# Allegro board AM335x_ICE_3H0013_PCB_REV_2_1A.brd (continued)
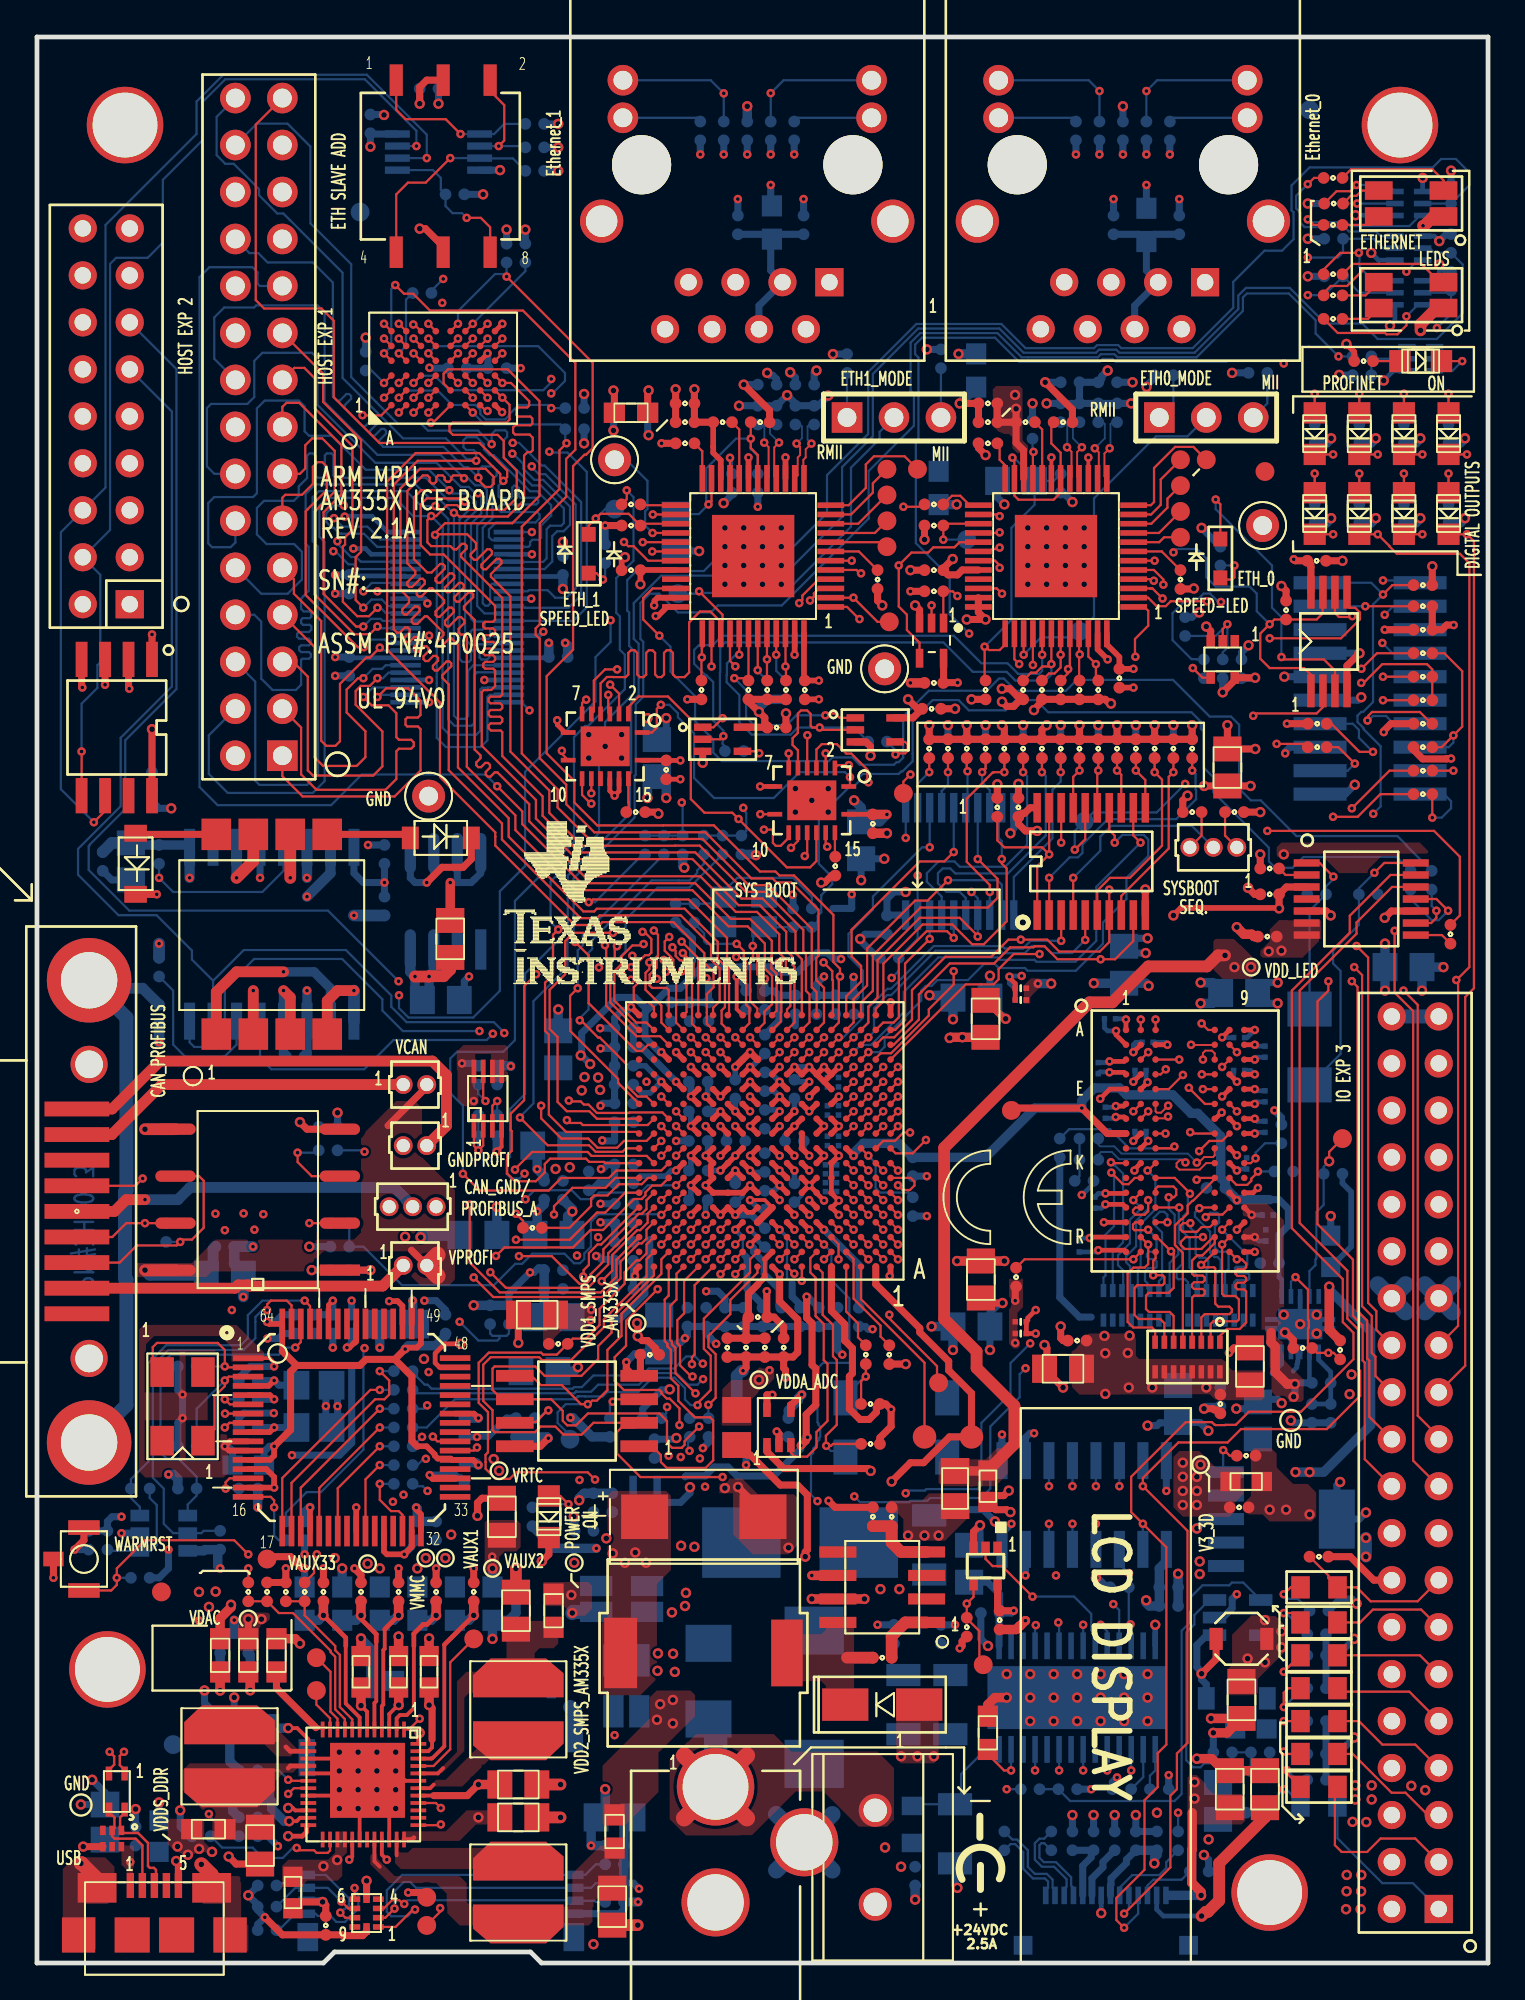
[diagram p0: board, top side]
## Placement (name value [footprint] x y rotation side) (continued)
J12  Connector_Screwdown  [CONN_OSTTC02]  45.34 8.26 270 top
J13  USB_MicroAB  [ZX62-AB-5PA]  6.35 4.19 0 top
J14  Header 20x2 Female  [HDR2X20-335M]  75.82 2.92 90 top
J15  CTI JTAG  [HEADER10X2]  72.11 68.92 270 bottom
J16  SCHA5B0200  [SD-MICRO-SCHA5B0300]  21.84 4.76 180 bottom
J17  10051922-1410ELF  [CON14_P5MM_3P75X9P5SMD]  57.81 1.98 90 bottom
J18  HEADER 3  [HEADER_3X1]  60.71 83.57 0 top
J19  HEADER 3  [HEADER_3X1]  43.81 83.57 0 top
L1  DA2304-AL  [DA2304]  12.7 55.63 90 top
L2  2.2uH  [IND108SMD_110X102]  65.15 17.53 180 top
L3  68uH  [IND_354SMD_400SQ]  36.07 16.76 180 top
L4  2.2uH  [VLCF5020T]  26.04 13.72 90 top
L5  2.2uH  [VLCF5020T]  10.41 11.18 270 top
L6  ACM2012  [ACM2012H]  4.32 9.27 270 top
L7  2.2uH  [VLCF5020T]  26.04 3.81 270 top
MH1  3.5MM_MHOLE  [MH163X138PL]  4.76 99.38 0 top
MH2  3.5MM_MHOLE  [MH163X138PL]  73.72 99.38 0 top
MH3  3.5MM_MHOLE  [MH163X138PL]  3.81 15.88 0 top
MH4  3MM_MHOLE  [MH163X138PL]  66.67 3.81 0 top
NOREF  -  []  -366.46 -233.81 0 top
NOREF#2  -  []  78.49 0 90 top
NOREF#3  -  [unnamed#2]  6.73 20.07 270 top
NOREF#4  -  []  15.87 0.18 0 top
NOREF#5  -  []  0 0 0 top
NOREF#6  -  []  0 -10.69 0 top
NOREF#7  -  []  27.29 0 0 top
NOREF#8  -  []  26.7 0.6 0 top
NOREF#9  -  []  16.09 0.6 0 top
NOREF#10  -  []  78.49 0 90 top
NOREF#11  -  []  0 0 0 top
NOREF#12  -  []  0 0 0 top
NOREF#13  -  []  16.09 0.6 0 top
NOREF#14  -  []  15.49 0 0 top
NOREF#15  -  [unnamed#2]  66.42 80.64 270 top
NOREF#16  -  []  0 104.14 0 top
NOREF#17  -  [unnamed#2]  7.37 11.81 270 bottom
NOREF#18  -  [unnamed#2]  17.48 94.67 270 bottom
NOREF#19  -  [unnamed#2]  68.83 100.2 0 bottom
Q1  DMC564040R  [SMINI6-F3-B]  74.2 95.14 270 bottom
Q2  DMC564040R  [SMINI6-F3-B]  74.2 92.72 270 bottom
Q3  DMC564040R  [SMINI6-F3-B]  74.2 90.31 90 bottom
Q4  DMC564040R  [SMINI6-F3-B]  74.84 86.74 270 bottom
R1  330  [SM-7351-RES-0402]  70.1 96.52 0 top
R2  330  [SM-7351-RES-0402]  70.14 95.14 0 top
R3  330  [SM-7351-RES-0402]  70.1 93.98 0 top
R4  330  [SM-7351-RES-0402]  70.1 91.31 0 top
R5  330  [SM-7351-RES-0402]  70.1 90.17 0 top
R6  330  [SM-7351-RES-0402]  70.1 88.9 0 top
R7  2.2K  [SM-7351-RES-0402]  37.08 83.31 0 top
R8  2.2K  [SM-7351-RES-0402]  53.47 83.31 0 top
R9  4.87K  [SM-7351-RES-0402]  35.05 82.17 0 top
R10  4.87K  [SM-7351-RES-0402]  51.44 82.17 0 top
R11  10K, 1%  [SM-7351-RES-0402]  67.56 73.15 270 top
R12  33  [SM-7351-RES-0402]  32.13 78.87 180 top
R13  33  [SM-7351-RES-0402]  48.51 78.87 180 top
R14  4.7K  [SM-7351-RES-0402]  74.96 74.5 180 top
R15  2.2K  [SM-7351-RES-0402]  32.13 77.72 180 top
R16  2.2K  [SM-7351-RES-0402]  48.51 77.72 180 top
R17  0  [SM-7351-RES-0402]  74.96 73.36 180 top
R18  2.2K  [SM-7351-RES-0402]  45.47 74.8 270 top
R19  2.2K  [SM-7351-RES-0402]  61.85 74.8 270 top
R20  100, 1%  [SM-7351-RES-0402]  74.96 70.82 180 top
R21  10K  [SM-7351-RES-0402]  48.51 74.17 180 top
R22  0  [SM-7351-RES-0402]  74.96 69.55 0 top
R23  0  [SM-7351-RES-0402]  74.96 68.28 0 top
R24  4.7K  [SM-7351-RES-0402]  69.25 67.01 180 top
R25  4.7K  [SM-7351-RES-0402]  74.96 67.01 180 top
R26  0  [SM-7351-RES-0402]  69.25 65.74 0 top
R27  2.2K  [SM-7351-RES-0402]  38.48 68.83 270 top
R28  2.2K  [SM-7351-RES-0402]  39.5 68.83 270 top
R29  2.2K  [SM-7351-RES-0402]  40.51 68.83 270 top
R30  2.2K  [SM-7351-RES-0402]  53.34 68.83 270 top
R31  2.2K  [SM-7351-RES-0402]  54.36 68.83 270 top
R32  2.2K  [SM-7351-RES-0402]  55.37 68.83 270 top
R33  2.2K  [SM-7351-RES-0402]  56.39 68.83 270 top
R34  2.2K  [SM-7351-RES-0402]  57.4 68.83 270 top
R35  0  [SM-7351-RES-0402]  74.96 64.47 180 top
R36  0  [SM-7351-RES-0402]  74.96 63.2 180 top
R37  10K, 1%  [SM-7351-RES-0402]  62.48 62.23 180 top
R38  100K  [SM-7351-RES-0402]  64.77 62.23 180 top
R39  4.7K  [SM-7351-RES-0402]  66.67 59.18 180 top
R40  1K  [SM-7351-RES-0402]  32.38 62.23 180 top
R41  1K  [SM-7351-RES-0402]  43.18 59.31 90 top
R42  33  [SM-7351-RES-0402]  76.45 55.63 90 top
R43  100K  [SM-7351-RES-0402]  53.34 65.66 90 top
R44  10K, 1%  [SM-7351-RES-0402]  54.36 65.66 90 top
R45  10K, 1%  [SM-7351-RES-0402]  51.31 65.66 90 top
R46  100K  [SM-7351-RES-0402]  52.32 65.66 90 top
R47  100K  [SM-7351-RES-0402]  50.29 65.66 90 top
R48  100K  [SM-7351-RES-0402]  55.37 65.66 90 top
R49  100K  [SM-7351-RES-0402]  49.28 65.66 90 top
R50  10K, 1%  [SM-7351-RES-0402]  48.26 65.66 90 top
R51  100K  [SM-7351-RES-0402]  56.39 65.66 90 top
R52  100K  [SM-7351-RES-0402]  57.4 65.66 90 top
R53  100K  [SM-7351-RES-0402]  58.42 65.66 90 top
R54  10K, 1%  [SM-7351-RES-0402]  59.44 65.66 90 top
R55  10K, 1%  [SM-7351-RES-0402]  61.47 65.66 90 top
R56  100K  [SM-7351-RES-0402]  60.45 65.66 90 top
R57  100K  [SM-7351-RES-0402]  62.48 65.66 90 top
R58  22  [SM-7351-RES-0402]  26.8 39.75 0 top
R59  1K  [SM-7351-RES-0402]  52.96 37.08 90 top
R60  0  [SM-7351-RES-0402]  38.99 34.92 0 top
R61  2.2K  [SM-7351-RES-0402]  28.19 33.48 180 top
R62  10K, 1%  [SM-7351-RES-0402]  68.46 33.25 0 top
R63  10K, 1%  [SM-7351-RES-0402]  70.48 33.15 90 top
R64  0  [SM-7351-RES-0402]  44.83 32.89 270 top
R65  10K  [SM-7351-RES-0402]  46.1 32.89 270 top
R66  3.24K  [SM-7351-RES-0402]  45.21 24.13 270 top
R67  10K  [SM-7351-RES-0402]  46.23 24.13 90 top
R68  1.2K, MELF  [SMD_MELF0102]  69.35 20.31 180 top
R69  0  [SM-7351-RES-0402]  11.43 20.07 90 top
R70  4.7K  [SM-7351-RES-0402]  12.45 20.07 90 top
R71  4.7K  [SM-7351-RES-0402]  13.46 20.07 90 top
R72  0  [SM-7351-RES-0402]  14.48 20.07 90 top
R73  0  [SM-7351-RES-0603]  27.94 19.05 270 top
R74  1.2K, MELF  [SMD_MELF0102]  69.34 18.41 180 top
R75  10K  [SM-7351-RES-0402]  50.29 18.16 270 top
R76  0  [SM-7351-RES-0603]  9.91 16.64 90 top
R77  0  [SM-7351-RES-0603]  11.43 16.64 90 top
R78  0  [SM-7351-RES-0603]  12.95 16.64 270 top
R79  1.2K, MELF  [SMD_MELF0102]  69.34 16.64 180 top
R80  1.2K, MELF  [SMD_MELF0102]  69.34 14.86 180 top
R81  1.2K, MELF  [SMD_MELF0102]  69.34 13.08 180 top
R82  25K  [SM-7351-RES-0603]  51.44 12.45 270 top
R83  1.2K, MELF  [SMD_MELF0102]  69.34 11.3 180 top
R84  1.2K, MELF  [SMD_MELF0102]  69.34 9.53 180 top
R85  0  [SM-7351-RES-0603]  9.27 7.24 0 top
R86  0  [SM-7351-RES-0603]  31.24 7.11 270 top
R87  1K  [SM-7351-RES-0402]  22.61 95.63 180 bottom
R88  1K  [SM-7351-RES-0402]  26.92 99.44 180 bottom
R89  330  [SM-7351-RES-0402]  56.2 99.06 270 bottom
R90  2.2K  [SM-7351-RES-0402]  57.47 99.06 270 bottom
R91  0  [SM-7351-RES-0402]  58.74 99.06 270 bottom
R92  2.2K  [SM-7351-RES-0402]  60.01 99.06 270 bottom
R93  330  [SM-7351-RES-0402]  61.28 99.06 270 bottom
R94  330  [SM-7351-RES-0402]  35.88 99.06 270 bottom
R95  2.2K  [SM-7351-RES-0402]  37.15 99.06 270 bottom
R96  0  [SM-7351-RES-0402]  38.42 99.06 270 bottom
R97  2.2K  [SM-7351-RES-0402]  39.69 99.06 270 bottom
R98  330  [SM-7351-RES-0402]  40.96 99.06 270 bottom
R99  1K  [SM-7351-RES-0402]  26.92 98.17 180 bottom
R100  1K  [SM-7351-RES-0402]  26.92 96.9 180 bottom
R101  10K  [SM-7351-RES-0402]  26.42 92.46 90 bottom
R102  1K  [SM-7351-RES-0402]  25.4 92.46 270 bottom
R103  1K  [SM-7351-RES-0402]  76.49 95.64 270 bottom
R104  1K  [SM-7351-RES-0402]  70.14 95.14 0 bottom
R105  0  [SM-7351-RES-0402]  20.83 90.3 180 bottom
R106  1K  [SM-7351-RES-0402]  70.14 93.23 0 bottom
R107  1K  [SM-7351-RES-0402]  76.49 92.98 270 bottom
R108  1K  [SM-7351-RES-0402]  70.14 91.2 0 bottom
R109  1K  [SM-7351-RES-0402]  76.49 90.94 270 bottom
R110  2.2K  [SM-7351-RES-0402]  48.9 86.74 270 bottom
R111  10K  [SM-7351-RES-0402]  17.78 86.61 90 bottom
R112  2.2K  [SM-7351-RES-0402]  43.81 86.49 270 bottom
R113  2.2K  [SM-7351-RES-0402]  66.04 85.98 0 bottom
R114  2.2K  [SM-7351-RES-0402]  60.96 85.85 0 bottom
R115  1K  [SM-7351-RES-0402]  29.08 84.07 180 bottom
R116  49.9  [SM-7351-RES-0402]  58.42 83.82 270 bottom
R117  49.9  [SM-7351-RES-0402]  57.4 83.82 270 bottom
R118  49.9  [SM-7351-RES-0402]  56.39 83.82 270 bottom
R119  49.9  [SM-7351-RES-0402]  55.37 83.82 270 bottom
R120  49.9  [SM-7351-RES-0402]  42.04 83.69 270 bottom
R121  49.9  [SM-7351-RES-0402]  41.02 83.69 270 bottom
R122  49.9  [SM-7351-RES-0402]  40.01 83.69 270 bottom
R123  49.9  [SM-7351-RES-0402]  38.99 83.69 270 bottom
R124  2.2K  [SM-7351-RES-0402]  53.85 82.93 90 bottom
R125  10K  [SM-7351-RES-0402]  29.08 82.93 0 bottom
R126  0  [SM-7351-RES-0402]  71.67 86.87 180 bottom
R127  1K  [SM-7351-RES-0402]  71.67 85.85 0 bottom
R128  330  [SM-7351-RES-0402]  71.75 86.61 180 top
R129  2.2K  [SM-7351-RES-0402]  37.59 80.01 270 bottom
R130  330  [SM-7351-RES-0402]  64.01 76.07 90 bottom
R131  330  [SM-7351-RES-0402]  30.73 76.2 90 bottom
R132  150  [SM-7351-RES-0402]  69.11 78.38 90 bottom
R133  150  [SM-7351-RES-0402]  71.52 78.38 90 bottom
R134  2.2K  [SM-7351-RES-0402]  40.51 68.83 270 bottom
R135  2.2K  [SM-7351-RES-0402]  39.5 68.83 270 bottom
R136  150  [SM-7351-RES-0402]  73.94 78.38 90 bottom
R137  4.7K  [SM-7351-RES-0402]  62.1 72.26 270 bottom
R138  0  [SM-7351-RES-0402]  45.47 66.04 180 bottom
R139  0  [SM-7351-RES-0402]  37.72 65.53 180 bottom
R140  150  [SM-7351-RES-0402]  76.35 78.38 90 bottom
R141  10K  [SM-7351-RES-0402]  64.14 69.98 270 bottom
R142  0  [SM-7351-RES-0402]  63.12 69.98 270 bottom
R143  150  [SM-7351-RES-0402]  69.11 82.69 90 bottom
R144  33  [SM-7351-RES-0402]  74.3 58.55 90 bottom
R145  2.2K  [SM-7351-RES-0402]  38.1 60.45 270 bottom
R146  0  [SM-7351-RES-0402]  37.08 60.45 270 bottom
R147  0  [SM-7351-RES-0402]  36.07 60.45 270 bottom
R148  2.2K  [SM-7351-RES-0402]  34.92 60.45 270 bottom
R149  0  [SM-7351-RES-0402]  33.91 60.45 270 bottom
R150  0  [SM-7351-RES-0402]  32.89 60.45 270 bottom
R151  150  [SM-7351-RES-0402]  71.52 82.69 90 bottom
R152  100K  [SM-7351-RES-0402]  18.8 59.94 270 bottom
R153  100K  [SM-7351-RES-0402]  6.6 59.94 270 bottom
R154  33  [SM-7351-RES-0402]  75.44 58.55 90 bottom
R155  150  [SM-7351-RES-0402]  73.94 82.69 90 bottom
R156  0  [SM-7351-RES-0402]  35.56 56.77 90 bottom
R157  100K  [SM-7351-RES-0402]  62.48 65.66 270 bottom
R158  100K  [SM-7351-RES-0402]  60.45 65.66 270 bottom
R159  100K  [SM-7351-RES-0402]  61.47 65.66 270 bottom
R160  100K  [SM-7351-RES-0402]  59.44 65.66 270 bottom
R161  100K  [SM-7351-RES-0402]  58.42 65.66 270 bottom
R162  100K  [SM-7351-RES-0402]  57.4 65.66 270 bottom
R163  100K  [SM-7351-RES-0402]  56.39 65.66 270 bottom
R164  100K  [SM-7351-RES-0402]  48.26 65.66 270 bottom
R165  100K  [SM-7351-RES-0402]  49.28 65.66 270 bottom
R166  100K  [SM-7351-RES-0402]  55.37 65.66 270 bottom
R167  100K  [SM-7351-RES-0402]  50.29 65.66 270 bottom
R168  100K  [SM-7351-RES-0402]  52.32 65.66 270 bottom
R169  100K  [SM-7351-RES-0402]  51.31 65.66 270 bottom
R170  100K  [SM-7351-RES-0402]  54.36 65.66 270 bottom
R171  100K  [SM-7351-RES-0402]  53.34 65.66 270 bottom
R172  1M  [SM-7351-RES-0402]  41.91 56.52 270 bottom
R173  150  [SM-7351-RES-0402]  76.35 82.69 90 bottom
R174  2.2K  [SM-7351-RES-0402]  6.6 53.85 270 bottom
R175  0  [SM-7351-RES-0402]  6.6 51.31 270 bottom
R176  100K  [SM-7351-RES-0402]  24.38 47.5 180 bottom
R177  1K  [SM-7351-RES-0402]  24.38 45.85 180 bottom
R178  10K, 1%  [SM-7351-RES-0402]  67.31 44.83 270 bottom
R179  33  [SM-7351-RES-0402]  56.9 44.58 180 bottom
R180  33  [SM-7351-RES-0402]  55.32 44.07 270 bottom
R181  33  [SM-7351-RES-0402]  15.75 43.94 180 bottom
R182  33  [SM-7351-RES-0402]  56.9 43.43 180 bottom
R183  240, 1%  [SM-7351-RES-0402]  67.44 42.8 180 bottom
R184  10K, 1%  [SM-7351-RES-0402]  70.1 42.67 0 bottom
R185  49.9  [SM-7351-RES-0402]  47.37 40.89 90 bottom
R186  33  [SM-7351-RES-0402]  16.38 40.01 180 bottom
R187  10K  [SM-7351-RES-0402]  25.53 35.05 270 bottom
R188  10K, 1%  [SM-7351-RES-0402]  16 34.54 90 bottom
R189  4.75K, 1%  [SM-7351-RES-0402]  14.99 34.54 270 bottom
R190  0  [SM-7351-RES-0402]  19.81 32 180 bottom
R191  10K, 1%  [SM-7351-RES-0402]  69.47 31.37 180 bottom
R192  0  [SM-7351-RES-0402]  19.81 30.99 180 bottom
R193  12.1K, 1%  [SM-7351-RES-0402]  11.43 30.48 180 bottom
R194  0  [SM-7351-RES-0402]  19.81 29.97 180 bottom
R195  10K, 1%  [SM-7351-RES-0402]  68.96 29.72 90 bottom
R196  2.2K  [SM-7351-RES-0402]  33.27 29.46 180 bottom
R197  10K  [SM-7351-RES-0402]  36.32 28.96 270 bottom
R198  0  [SM-7351-RES-0402]  35.31 28.96 90 bottom
R199  10K  [SM-7351-RES-0402]  30.99 28.96 270 bottom
R200  10K  [SM-7351-RES-0402]  26.92 28.96 270 bottom
R201  0  [SM-7351-RES-0402]  19.81 28.96 180 bottom
R202  0  [SM-7351-RES-0402]  19.81 27.94 180 bottom
R203  0  [SM-7351-RES-0402]  19.81 26.92 180 bottom
R204  0  [SM-7351-RES-0402]  19.81 25.91 180 bottom
R205  2.2K  [SM-7351-RES-0402]  11.43 25.65 0 bottom
R206  10K  [SM-7351-RES-0402]  8.13 25.65 180 bottom
R207  2.2K  [SM-7351-RES-0402]  5.59 25.65 0 bottom
R208  150  [SM-7351-RES-0402]  26.8 24.13 270 bottom
R209  0  [SM-7351-RES-0402]  13.46 23.37 270 bottom
R210  10K  [SM-7351-RES-0402]  9.91 22.86 270 bottom
R211  10K  [SM-7351-RES-0402]  3.81 22.86 90 bottom
R212  0.05ohm1% Sense  [SM_RES_LVK12]  31.62 19.68 0 bottom
R213  0  [SM-7351-RES-0603]  24.64 19.43 90 bottom
R214  0  [SM-7351-RES-0603]  22.61 19.43 90 bottom
R215  0  [SM-7351-RES-0603]  20.57 19.43 270 bottom
R216  0  [SM-7351-RES-0603]  18.54 19.43 270 bottom
R217  0  [SM-7351-RES-0603]  16.51 19.43 270 bottom
R218  0  [SM-7351-RES-0603]  14.48 19.43 270 bottom
R219  0.05ohm1% Sense  [SM_RES_LVK12]  31.88 14.99 90 bottom
R220  1.62M  [SM-7351-RES-0402]  66.17 11.39 0 bottom
R221  180K  [SM-7351-RES-0402]  64.14 11.39 0 bottom
R222  0  [SM-7351-RES-0402]  60.71 9.4 180 bottom
R223  0  [SM-7351-RES-0402]  58.67 9.4 0 bottom
R224  0  [SM-7351-RES-0402]  55.75 9.4 180 bottom
R225  0  [SM-7351-RES-0402]  53.72 9.4 180 bottom
R226  1.2K, MELF  [SMD_MELF0102]  69.34 8.51 180 bottom
R227  49.9  [SMD_MELF0102]  47.37 7.49 270 bottom
R228  0  [SM-7351-RES-0402]  11.43 6.86 0 bottom
R229  0  [SM-7351-RES-0402]  8.89 6.86 180 bottom
R230  0  [SM-7351-RES-0402]  61.72 6.6 270 bottom
R231  10K  [SM-7351-RES-0402]  31.24 5.33 0 bottom
R232  392K  [SM-7351-RES-0402]  62.87 4.95 0 bottom
R233  10K  [SM-7351-RES-0402]  31.24 4.32 0 bottom
R234  10K  [SM-7351-RES-0402]  12.45 4.19 180 bottom
R235  10K  [SM-7351-RES-0402]  31.24 3.3 0 bottom
R236  10K  [SM-7351-RES-0402]  12.45 3.05 180 bottom
R237  10K  [SM-7351-RES-0402]  12.45 1.78 180 bottom
R238  120  [SM-7351-RES-0402]  6.99 39.5 270 bottom
R239  0  [SM-7351-RES-0603]  32.13 83.82 180 top
R240  0  [SM-7351-RES-0603]  32.13 83.82 180 bottom
R241  0  [SM-7351-RES-0603]  48.77 79.76 270 bottom
R242  0  [SM-7351-RES-0603]  50.8 86.11 90 bottom
R243  2.2K  [SM-7351-RES-0402]  69.34 21.97 180 top
R244  2.2K  [SM-7351-RES-0402]  58.55 20.32 180 bottom
R277  4.7K  [SM-7351-RES-0402]  46.1 54.36 0 bottom
R278  4.7K  [SM-7351-RES-0402]  51.94 62.48 270 top
R279  0  [SM-7351-RES-0603]  39.75 94.11 270 bottom
R280  0  [SM-7351-RES-0603]  60.01 93.98 270 bottom
RP1  33x8  [EXB-2HV330JV]  62.23 32.77 180 top
RP2  33x8  [EXB-2HV330JV]  64.01 35.56 0 bottom
RP3  33x8  [EXB-2HV330JV]  59.44 35.56 0 bottom
S1  SwitchTactile3Pos  [SW3_4X2P5]  2.54 21.84 270 top
SW1  Rotary Switch  [SW-ND3FR10]  21.97 97.16 0 top
TP7  TP1mm  [TP_SMD1MMCIRCLE]  63.25 81.28 0 top
TP8  TP1mm  [TP_SMD1MMCIRCLE]  47.62 80.77 0 top
TP9  TP1mm  [TP_SMD1MMCIRCLE]  61.85 81.28 0 top
TP10  TP1mm  [TP_SMD1MMCIRCLE]  45.97 80.77 0 top
TP11  TP1mm  [TP_SMD1MMCIRCLE]  61.85 79.88 0 top
TP12  TP1mm  [TP_SMD1MMCIRCLE]  45.97 79.38 0 top
TP13  TP1mm  [TP_SMD1MMCIRCLE]  61.85 78.49 0 top
TP14  TP1mm  [TP_SMD1MMCIRCLE]  45.97 77.98 0 top
TP15  TP1mm  [TP_SMD1MMCIRCLE]  61.85 77.09 0 top
TP16  TP1mm  [TP_SMD1MMCIRCLE]  45.97 76.58 0 top
TP17  TP  [TH_TP_5002]  31.24 81.28 0 top
TP18  TP  [TH_TP_5002]  21.18 63.09 0 top
TP19  TP  [TH_TP_5002]  45.85 69.98 0 top
TP20  TP  [TH_TP_5002]  66.29 77.72 0 top
TP21  TP1mm  [TP_SMD1MMCIRCLE]  52.7 46.1 270 top
TP22  TP1mm  [TP_SMD1MMCIRCLE]  70.61 44.58 270 top
TP23  TP1mm  [TP_SMD1MMCIRCLE]  48.77 31.37 0 top
TP24  TESTPT1  [TP60C_SMD]  48.01 28.45 0 top
TP25  TESTPT1  [TP60C_SMD]  50.55 28.45 0 top
TP26  TP1mm  [TP_SMD1MMCIRCLE]  12.45 21.84 0 top
TP27  TP1mm  [TP_SMD1MMCIRCLE]  23.62 17.53 0 top
TP28  TP1mm  [TP_SMD1MMCIRCLE]  15.11 16.51 0 top
TP29  TP1mm  [TP_SMD1MMCIRCLE]  15.11 14.73 0 top
TP30  TP1mm  [TP_SMD1MMCIRCLE]  21.08 3.56 0 top
TP31  TP1mm  [TP_SMD1MMCIRCLE]  21.08 2.03 0 top
TP32  TP1mm  [TP_SMD1MMCIRCLE]  56.64 61.72 180 bottom
TP33  TP1mm  [TP_SMD1MMCIRCLE]  46.1 72.52 0 top
TP34  TP1mm  [TP_SMD1MMCIRCLE]  50.29 76.96 180 bottom
TP35  TP1mm  [TP_SMD1MMCIRCLE]  56.39 72.01 180 bottom
TP36  TP1mm  [TP_SMD1MMCIRCLE]  34.67 74.04 180 bottom
TP37  TP1mm  [TP_SMD1MMCIRCLE]  46.86 63.25 0 top
TP38  TP1mm  [TP_SMD1MMCIRCLE]  28.83 28.32 180 bottom
TP39  TP1mm  [TP_SMD1MMCIRCLE]  51.18 16.13 0 top
TP40  TP1mm  [TP_SMD1MMCIRCLE]  31.24 78.61 180 bottom
U1  M29W160EB  [TFBGA48]  21.97 86.23 90 top
U2  TLK110  [HTQFP_48PIN]  38.73 76.07 180 top
U3  TLK110  [HTQFP_48PIN]  55.12 76.07 180 top
U4  SN74CB3Q3306APWR  [PW8]  69.88 71.46 0 top
U5  SN74LVC1G08  [SM-SO-SC70-5]  48.39 71.5 180 top
U6  CAT24C256W  [SOIC8_208]  4.32 66.8 180 top
U7  SN74LVC1G32DCK  [SC70-5-43M]  45.34 66.67 0 top
U8  SN74LVC1G32DCK  [SC70-5-43M]  37.08 66.17 0 top
U9  SN74CBTLV3257RGY  [QFN4X3P5-16-39M]  30.73 65.79 270 top
U10  SN74LVC1G06DCK  [DCK5]  64.14 70.48 180 top
U11  SN74CBTLV3257RGY  [QFN4X3P5-16-39M]  41.91 62.87 270 top
U12  CDCE913  [TSSOP5X4-14-47M]  71.63 57.53 0 top
U13  SN74AUP2G08  [U_8_DCU]  24.38 46.74 0 top
U14  AM335X_15x15  [AM33XX_15X15]  39.37 44.45 180 top
U15  MT41J128M16JT-125  [BGA14X10-96]  62.1 44.45 0 top
U16  ISO1050  [SO8_W_DUB]  11.94 39.37 90 top
U17  W25Q64  [SOIC8_265]  29.21 29.84 180 top
U18  FT2232HL  [LQFP64_10X10]  17.02 28.96 0 top
U19  LM94022  [SC70-5]  40.13 28.96 0 top
U20  SN74LVC1G07  [DCK5]  51.31 21.46 180 top
U21  TPS5420D  [SOIC-8]  45.72 20.32 90 top
U22  TPS65910A3  [U_48_RSL]  17.65 9.65 270 top
U23  TPD4S012  [U_6_DRY]  4.06 6.73 180 top
U24  TPD6E001  [U_10_RSE]  17.83 2.7 90 top
U25  PCA9536DGK  [MSOP3X3-8-43M]  21.72 97.92 180 bottom
U26  SN74ALVCH16374DGV  [TVSOP-48]  22.73 72.77 90 bottom
U27  TPS76650  [SOIC_8]  22.1 57.4 180 bottom
U28  ISO1176T  [U_16_DW]  12.7 55.63 180 bottom
U29  TPS51200  [DRCPSO_10PIN]  68.33 34.54 90 bottom
U30  TPS71718  [SMDSC70-5]  32.89 24.89 180 bottom
U31  TPIC2810  [U_16_D]  56.64 24.77 180 bottom
U32  TPS78633  [SOT223_6PIN]  67.31 24 90 bottom
U33  93LC56B  [SOT23-6]  6.86 23.24 90 bottom
U34  TPS61041  [DBV5]  64.94 18.68 90 bottom
U35  SN65HVS882  [U_28_PWP]  56.26 14.35 180 bottom
U37  SN74LV244A  [TSSOP4X6-20]  57.02 59.56 0 top
U38  SN74LV244A  [TSSOP4X6-20]  49.91 59.56 0 bottom
Y1  25MHz  [SM_OSC_ABM3]  68.83 49.53 90 bottom
Y2  12MHz,+/-50ppm  [XTAL4_3P2X5SMD]  7.87 30.1 90 top
Y3  24MHz  [XTAL4_3P2X2P5_SMD]  38.23 56.83 0 bottom
Y4  32.768KHz MC-306  [MC-306]  46.48 28.96 0 bottom

## Library data of the parts
C1-C3 C5 C8-C12 C15 C34-C37 C43 C46 C56 C68 C69 C98 C106 C108-C114 C116 C119 C120 C123-C125 C130-C132 C134 C135 C137 C139 C142 C143 C148-C152 C155 C157 C160 C163 C164 C166 C169-C173 C175 C177 C181 C182 C187 C189 C190 C192-C194 C196 C197 C201-C204 C218 C219 C229 C236 C240 C254 C264 = 0.01uFCapacitor16V10%0402: User Part Number: USERPART#; Tolerance: TOLERANCE
C4 C6 C7 C13 C14 C16-C20 C32 C41 C55 C70-C75 C77-C80 C82 C83 C85-C88 C91 C93 C96 C159 C162 C167 C185 C188 C206-C208 C213 C214 C220 C221 C225 C227 C230-C232 C265 C269 C272 = 0.1uFCapacitor16V10%0402: User Part Number: USERPART#; Tolerance: TOLERANCE
C21 C22 = 1C_0.1uFCapacitor16V10%0402: User Part Number: USERPART#; Tolerance: TOLERANCE
C23 C27-C29 C38 C39 C47 C54 C61 C64 C65 C67 C81 C84 C92 C94 C95 C101 C102 C104 C107 C121 C154 C178 C179 C205 C209 C210 C212 C215 C251 C260 = 10uFCapacitor16V10%0805
C24 C191 = 4.7uFCapacitor16V20%Tant
C25 C26 C30 C31 C103 C105 C115 C117 C118 C122 C126-C129 C133 C136 C138 C140 C141 C144 C146 C147 C153 C156 C158 C161 C165 C168 C174 C176 C180 C183 = 0.1uFCapacitor6.3V10%0201
C33 C216 C273 = 0.001uFCapacitor50V5%0402: User Part Number: USERPART#; Tolerance: TOLERANCE
C40 C42 = 22pFCapacitor50V10%SMD0402: User Part Number: USERPART#; Tolerance: TOLERANCE
C44 C45 C57-C59 C66 C186 C257 C263 = 4.7uFCapacitor16V10%0603
C48 = 47uFCapacitor10V10%smd2917: User Part Number: P/N*; Tolerance: TOL*
C49 C50 C53 C244 C245 C261 = 2.2uFCapacitor6.3V20%smdX5R0402: User Part Number: USERPART#; Tolerance: TOLERANCE
C51 C52 C237 = 2.2uFCapacitor10V20%smd0402: User Part Number: USERPART#; Tolerance: TOLERANCE
C60 C97 C217 C234 C258 = 2.2uF16V10%SMD0805
C62 C63 = 2.2uFCapacitor35V20%smd0805
C76 C195 C198-C200 C223 C226 C228 C235 C238 C266 C268 C270 C271 = 1uFCapacitor10V10%0402: User Part Number: USERPART#; Tolerance: TOLERANCE
C89 C90 = 1C_18pFCapacitor50V5%0402: User Part Number: USERPART#; Tolerance: TOLERANCE
C99 C100 = 24pFCapacitor50V5%SMD0402: User Part Number: USERPART#; Tolerance: TOLERANCE
C145 C184 = 100pFCapacitor16V10%0402: User Part Number: USERPART#; Tolerance: TOLERANCE
C211 C222 = 18pFCapacitor50V5%0402: User Part Number: USERPART#; Tolerance: TOLERANCE
C224 = 4.7uFCapacitor6.3V20%smdX5R0603
C233 C248 C249 C262 = 10uFCapacitor50V10%1206
C239 C241 C246 C247 C250 C253 C256 C259 C267 = 0.022uFCapacitor16VX7Rsmd0402: User Part Number: USERPART#; Tolerance: TOLERANCE
C242 C243 = 0.1uFCapacitor50V10%0402: User Part Number: USERPART#; Tolerance: TOLERANCE
C252 = 1uFCapacitor50V10%0603
C255 = 10pFCapacitor50V1%smd0402: User Part Number: USERPART#; Tolerance: TOLERANCE
C275 C277 = 1C_0.01uFCapacitor16V10%0402: User Part Number: USERPART#; Tolerance: TOLERANCE
D1 D2 = LED_Tricolor_RedGreenYellow
D3 D6-D10 D12 D14-D16 = LED_Green
D4 D5 = LED_Yellow
D11 D13 D20 = Diode_500mA20V
D17 = Diode_3ARect_rev40V
D18 = Diode_MBRS140T3
D19 = Diode_SMCJ26CA
F1 = Fuse_4A
FB2 FB3 FB9-FB13 = FerBead_180ohm200mA
J1 J2 = 2J_ConnectorRJ45_10_100MbAMDIX
J3 = Header9x2_0.1in_Female
J4 = Header15x2_0.1in_Female
J5 J8 = Header_1.27mm_3pin
J6 J7 J10 = Header_1.27mm_2pin
J9 = Conn_DSUB9F
J11 = Conn_PwrJack_RAPC722
J12 = Conn_LeadScrewDown_2pin
J13 = Conn_MicroUSBAB
J14 = Header20x2_0.1in_Female
J15 = Header10x2_CJTAG
J16 = Conn_microSD_8: User Part Number: X; Tolerance: X
J17 = Conn_14pin_0.5mm_FPC: User Part Number: PRT#; Tolerance: TOL*
J18 J19 = 2H_Header_3x1
L1 = DA2304-ALB
L2 = 2.2uHInductor20%1Asmd
L3 = 68uHInductor20%1.4Asmd
L4 L5 L7 = 2.2uHInductor10%2.6Asmd
L6 = ACM2012
MH1-MH4 = Mounthole_3mm
Q1-Q4 = NPN_DMC564040R
R1-R6 R89 R93 R94 R98 R128 R130 R131 = 330ohm1/16W5%smd0402
R7 R8 R15 R16 R27-R34 R61 R90 R92 R95 R97 R110 R112-R114 R124 R129 R134 R135 R174 R196 R205 R207 = 2.2KOhmResistor1/16W0402
R9 R10 = 1R_4.87KOhmResistor1/16W0402
R11 R62 R63 R178 R184 R191 R195 = 10KOhmResistor1/10W1%0402
R12 R13 R179-R182 R186 = 33ohmResistor1/16W5%0402
R14 R24 R25 R70 R71 R137 = 4.7KOhmResistor1/16W0402
R17 R22 R23 R26 R35 R36 R60 R64 R69 R72 R91 R96 R105 R126 R139 R142 R146 R147 R149 R150 R156 R175 R190 R192 R194 R198 R201-R204 R209 R222-R225 R228-R230 = ZeroOhmResistor1/16W0402
R18 R19 R145 R148 R243 R244 = 1R_2.2KOhmResistor1/16W0402
R20 = 100ohm1/10W1%SMD0402
R21 R65 R67 R75 R101 R111 R125 R141 R187 R197 R199 R200 R206 R210 R211 R231 R233-R237 = 10KOhmResistor1/16W0402
R37 R44 R45 R50 R54 R55 R188 = 1R_10KOhmResistor1/10W1%0402
R38 R43 R46-R49 R51-R53 R56 R57 R152 R153 R157-R171 R176 = 100KOhmResistor1/16W0402
R39 R277 R278 = 1R_4.7KOhmResistor1/16W0402
R40 R41 R59 R87 R88 R99 R100 R102-R104 R106-R109 R115 R127 = 1KOhmResistor1/16W0402
R42 R144 R154 = 1R_33ohmResistor1/16W5%0402
R58 = 22OhmResistor1/16W1%0402: signal model: 22OHMRESISTOR1/16W1%0402_SM-735_22
R66 = 3.24KOhmResistor1/10W1%0402
R68 R74 R79-R81 R83 R84 R226 = 1.2Kohm1/3W1%SMDMELF0102
R73 R76-R78 R85 R86 R213-R218 = ZeroOhmResistor1/16W0603
R82 = 25Kohm1/10W0.1%smd0603
R116-R123 R185 = 49.9OhmResistor1/16W0402
R132 R133 R136 R140 R143 R151 R155 R173 R208 = 150ohm1/16W1%SMD0402
R138 = ZeroOhmResistor1/16W0402: signal model: ZEROOHMRESISTOR1/16W0402_SM-735_0
R172 = 1MOhmResistor1/16W0402: signal model: 33OHMRESISTOR1_16W5_0402_SM_735_33
R177 = 1KOhmResistor1/16W0402: signal model: 33OHMRESISTOR1_16W5_0402_SM_735_33
R183 = 240OhmResistor1/10W1%0402
R189 = 1R_4.75KohmResistor1/16W1%0402
R193 = 12.1KohmResistor1/16W1%0402
R212 R219 = 0.05ohm0.5W1%Sense1206
R220 = 1.62MOhmResistor1/16W0402
R221 = 180KOhmResistor1/16W0402
R227 = 49.9ohm1/3W1%SMDMELF0102
R232 = 392KOhmResistor1/10W1%0402
R238 = 1R_120ohm1/16W1%smd0402
R239-R242 R279 R280 = 1R_ZeroOhmResistor1/16W0603
RP1-RP3 = 33ohmx8_1/16W5%smd
S1 = SwitchTactile3pos_smd
SW1 = SwitchDIPRotaries_smd
TP7-TP16 TP21-TP23 TP26-TP40 = Testpoint_SMD1mmCircle
TP17-TP20 = TestPointThroughHole
TP24 TP25 = TESTPT1
U1 = M29W160G: User Part Number: PRT#; Tolerance: TOL*
U2 U3 = TLK110
U4 = SN74CB3Q3306APW
U5 = SN74LVC1G08DCKT_SC70
U6 = CAT24C256W
U7 U8 = SN74LVC1G32DCK
U9 U11 = SN74CBTLV3257RGY
U10 = SN74LVC1G06DCK: Tolerance: TOL; User Part Number: PART#
U12 = 1A_CDCE913
U13 = SN74AUP2G08
U14 = AM335X_15mmx15mm
U15 = MT41J128M16JT-125
U16 = ISO1050
U17 = W25Q64
U18 = FT2232_0
U19 = LM94022
U20 = SN74LVC1G07: Tolerance: TOL; User Part Number: PART#
U21 = TPS5420D
U22 = TPS65910A3
U23 = TPD4S012
U24 = TPD6E001RSE
U25 = PCA9536
U26 = SN74ALVCH16374DGVR
U27 = TPS76650
U28 = ISO1176T
U29 = TPS51200
U30 = TPS71718
U31 = TPIC2810
U32 = TPS78633DCQ
U33 = 93C46B_SSOT23-6
U34 = TPS61041DBV
U35 = SN65HVS882
U37 U38 = 1A_SN74LV244APWRG3
Y1 = Crystal25MHzABM3
Y2 = Crystal12MHZ_ECS-120-20-30B: Tolerance: TOL*; User Part Number: P/N*
Y3 = Crystal24MHz18PFsmd
Y4 = Crystal_SMD32_768kHz

## Footprints (pads in the part's own frame, mm; a bottom-side part is the same pattern mirrored in y, then rotated)
7343
  rect 2.54x2.413 smd: 1(-3.2,0) 2(3.2,0)
ACM2012H
  rect 0.75x0.35 smd: 1(-0.975,0.425) 2(-0.975,-0.425) 3(0.975,-0.425) 4(0.975,0.425)
AM33XX_15X15
  round 0.356 smd: A1(-6.8,6.8) A2(-6,6.8) A3(-5.2,6.8) A4(-4.4,6.8) A5(-3.6,6.8) A6(-2.8,6.8) A7(-2,6.8) A8(-1.2,6.8) A9(-0.4,6.8) A10(0.4,6.8) A11(1.2,6.8) A12(2,6.8) A13(2.8,6.8) A14(3.6,6.8) A15(4.4,6.8) A16(5.2,6.8) A17(6,6.8) A18(6.8,6.8) B1(-6.8,6) B2(-6,6) B3(-5.2,6) B4(-4.4,6) B5(-3.6,6) B6(-2.8,6) B7(-2,6) B8(-1.2,6) B9(-0.4,6) B10(0.4,6) B11(1.2,6) B12(2,6) B13(2.8,6) B14(3.6,6) B15(4.4,6) B16(5.2,6) B17(6,6) B18(6.8,6) C1(-6.8,5.2) C2(-6,5.2) C3(-5.2,5.2) C4(-4.4,5.2) C5(-3.6,5.2) C6(-2.8,5.2) C7(-2,5.2) C8(-1.2,5.2) C9(-0.4,5.2) C10(0.4,5.2) C11(1.2,5.2) C12(2,5.2) C13(2.8,5.2) C14(3.6,5.2) C15(4.4,5.2) C16(5.2,5.2) C17(6,5.2) C18(6.8,5.2) D1(-6.8,4.4) D2(-6,4.4) D3(-5.2,4.4) D4(-4.4,4.4) D5(-3.6,4.4) D6(-2.8,4.4) D7(-2,4.4) D8(-1.2,4.4) D9(-0.4,4.4) D10(0.4,4.4) D11(1.2,4.4) D12(2,4.4) D13(2.8,4.4) D14(3.6,4.4) D15(4.4,4.4) D16(5.2,4.4) D17(6,4.4) D18(6.8,4.4) E1(-6.8,3.6) E2(-6,3.6) E3(-5.2,3.6) E4(-4.4,3.6) E5(-3.6,3.6) E6(-2.8,3.6) E7(-2,3.6) E8(-1.2,3.6) E9(-0.4,3.6) E10(0.4,3.6) E11(1.2,3.6) E12(2,3.6) E13(2.8,3.6) E14(3.6,3.6) E15(4.4,3.6) E16(5.2,3.6) E17(6,3.6) E18(6.8,3.6) F1(-6.8,2.8) F2(-6,2.8) F3(-5.2,2.8) F4(-4.4,2.8) F5(-3.6,2.8) F6(-2.8,2.8) F7(-2,2.8) F8(-1.2,2.8) F9(-0.4,2.8) F10(0.4,2.8) F11(1.2,2.8) F12(2,2.8) F13(2.8,2.8) F14(3.6,2.8) F15(4.4,2.8) F16(5.2,2.8) F17(6,2.8) F18(6.8,2.8) G1(-6.8,2) G2(-6,2) G3(-5.2,2) G4(-4.4,2) G5(-3.6,2) G6(-2.8,2) G7(-2,2) G8(-1.2,2) G9(-0.4,2) G10(0.4,2) G11(1.2,2) G12(2,2) G13(2.8,2) G14(3.6,2) G15(4.4,2) G16(5.2,2) G17(6,2) G18(6.8,2) H1(-6.8,1.2) H2(-6,1.2) H3(-5.2,1.2) H4(-4.4,1.2) H5(-3.6,1.2) H6(-2.8,1.2) H7(-2,1.2) H8(-1.2,1.2) H9(-0.4,1.2) H10(0.4,1.2) H11(1.2,1.2) H12(2,1.2) H13(2.8,1.2) H14(3.6,1.2) H15(4.4,1.2) H16(5.2,1.2) H17(6,1.2) H18(6.8,1.2) J1(-6.8,0.4) J2(-6,0.4) J3(-5.2,0.4) J4(-4.4,0.4) J5(-3.6,0.4) J6(-2.8,0.4) J7(-2,0.4) J8(-1.2,0.4) J9(-0.4,0.4) J10(0.4,0.4) J11(1.2,0.4) J12(2,0.4) J13(2.8,0.4) J14(3.6,0.4) J15(4.4,0.4) J16(5.2,0.4) J17(6,0.4) J18(6.8,0.4) K1(-6.8,-0.4) K2(-6,-0.4) K3(-5.2,-0.4) K4(-4.4,-0.4) K5(-3.6,-0.4) K6(-2.8,-0.4) K7(-2,-0.4) K8(-1.2,-0.4) K9(-0.4,-0.4) K10(0.4,-0.4) K11(1.2,-0.4) K12(2,-0.4) K13(2.8,-0.4) K14(3.6,-0.4) K15(4.4,-0.4) K16(5.2,-0.4) K17(6,-0.4) K18(6.8,-0.4) L1(-6.8,-1.2) L2(-6,-1.2) L3(-5.2,-1.2) L4(-4.4,-1.2) L5(-3.6,-1.2) L6(-2.8,-1.2) L7(-2,-1.2) L8(-1.2,-1.2) L9(-0.4,-1.2) L10(0.4,-1.2) L11(1.2,-1.2) L12(2,-1.2) L13(2.8,-1.2) L14(3.6,-1.2) L15(4.4,-1.2) L16(5.2,-1.2) L17(6,-1.2) L18(6.8,-1.2) M1(-6.8,-2) M2(-6,-2) M3(-5.2,-2) M4(-4.4,-2) M5(-3.6,-2) M6(-2.8,-2) M7(-2,-2) M8(-1.2,-2) M9(-0.4,-2) M10(0.4,-2) M11(1.2,-2) M12(2,-2) M13(2.8,-2) M14(3.6,-2) M15(4.4,-2) M16(5.2,-2) M17(6,-2) M18(6.8,-2) N1(-6.8,-2.8) N2(-6,-2.8) N3(-5.2,-2.8) N4(-4.4,-2.8) N5(-3.6,-2.8) N6(-2.8,-2.8) N7(-2,-2.8) N8(-1.2,-2.8) N9(-0.4,-2.8) N10(0.4,-2.8) N11(1.2,-2.8) N12(2,-2.8) N13(2.8,-2.8) N14(3.6,-2.8) N15(4.4,-2.8) N16(5.2,-2.8) N17(6,-2.8) N18(6.8,-2.8) P1(-6.8,-3.6) P2(-6,-3.6) P3(-5.2,-3.6) P4(-4.4,-3.6) P5(-3.6,-3.6) P6(-2.8,-3.6) P7(-2,-3.6) P8(-1.2,-3.6) P9(-0.4,-3.6) P10(0.4,-3.6) P11(1.2,-3.6) P12(2,-3.6) P13(2.8,-3.6) P14(3.6,-3.6) P15(4.4,-3.6) P16(5.2,-3.6) P17(6,-3.6) P18(6.8,-3.6) R1(-6.8,-4.4) R2(-6,-4.4) R3(-5.2,-4.4) R4(-4.4,-4.4) R5(-3.6,-4.4) R6(-2.8,-4.4) R7(-2,-4.4) R8(-1.2,-4.4) R9(-0.4,-4.4) R10(0.4,-4.4) R11(1.2,-4.4) R12(2,-4.4) R13(2.8,-4.4) R14(3.6,-4.4) R15(4.4,-4.4) R16(5.2,-4.4) R17(6,-4.4) R18(6.8,-4.4) T1(-6.8,-5.2) T2(-6,-5.2) T3(-5.2,-5.2) T4(-4.4,-5.2) T5(-3.6,-5.2) T6(-2.8,-5.2) T7(-2,-5.2) T8(-1.2,-5.2) T9(-0.4,-5.2) T10(0.4,-5.2) T11(1.2,-5.2) T12(2,-5.2) T13(2.8,-5.2) T14(3.6,-5.2) T15(4.4,-5.2) T16(5.2,-5.2) T17(6,-5.2) T18(6.8,-5.2) U1(-6.8,-6) U2(-6,-6) U3(-5.2,-6) U4(-4.4,-6) U5(-3.6,-6) U6(-2.8,-6) U7(-2,-6) U8(-1.2,-6) U9(-0.4,-6) U10(0.4,-6) U11(1.2,-6) U12(2,-6) U13(2.8,-6) U14(3.6,-6) U15(4.4,-6) U16(5.2,-6) U17(6,-6) U18(6.8,-6) V1(-6.8,-6.8) V2(-6,-6.8) V3(-5.2,-6.8) V4(-4.4,-6.8) V5(-3.6,-6.8) V6(-2.8,-6.8) V7(-2,-6.8) V8(-1.2,-6.8) V9(-0.4,-6.8) V10(0.4,-6.8) V11(1.2,-6.8) V12(2,-6.8) V13(2.8,-6.8) V14(3.6,-6.8) V15(4.4,-6.8) V16(5.2,-6.8) V17(6,-6.8) V18(6.8,-6.8)
BGA14X10-96
  round 0.35 smd: A1(-3.2,6) A2(-2.4,6) A3(-1.6,6) A7(1.6,6) A8(2.4,6) A9(3.2,6) B1(-3.2,5.2) B2(-2.4,5.2) B3(-1.6,5.2) B7(1.6,5.2) B8(2.4,5.2) B9(3.2,5.2) C1(-3.2,4.4) C2(-2.4,4.4) C3(-1.6,4.4) C7(1.6,4.4) C8(2.4,4.4) C9(3.2,4.4) D1(-3.2,3.6) D2(-2.4,3.6) D3(-1.6,3.6) D7(1.6,3.6) D8(2.4,3.6) D9(3.2,3.6) E1(-3.2,2.8) E2(-2.4,2.8) E3(-1.6,2.8) E7(1.6,2.8) E8(2.4,2.8) E9(3.2,2.8) F1(-3.2,2) F2(-2.4,2) F3(-1.6,2) F7(1.6,2) F8(2.4,2) F9(3.2,2) G1(-3.2,1.2) G2(-2.4,1.2) G3(-1.6,1.2) G7(1.6,1.2) G8(2.4,1.2) G9(3.2,1.2) H1(-3.2,0.4) H2(-2.4,0.4) H3(-1.6,0.4) H7(1.6,0.4) H8(2.4,0.4) H9(3.2,0.4) J1(-3.2,-0.4) J2(-2.4,-0.4) J3(-1.6,-0.4) J7(1.6,-0.4) J8(2.4,-0.4) J9(3.2,-0.4) K1(-3.2,-1.2) K2(-2.4,-1.2) K3(-1.6,-1.2) K7(1.6,-1.2) K8(2.4,-1.2) K9(3.2,-1.2) L1(-3.2,-2) L2(-2.4,-2) L3(-1.6,-2) L7(1.6,-2) L8(2.4,-2) L9(3.2,-2) M1(-3.2,-2.8) M2(-2.4,-2.8) M3(-1.6,-2.8) M7(1.6,-2.8) M8(2.4,-2.8) M9(3.2,-2.8) N1(-3.2,-3.6) N2(-2.4,-3.6) N3(-1.6,-3.6) N7(1.6,-3.6) N8(2.4,-3.6) N9(3.2,-3.6) P1(-3.2,-4.4) P2(-2.4,-4.4) P3(-1.6,-4.4) P7(1.6,-4.4) P8(2.4,-4.4) P9(3.2,-4.4) R1(-3.2,-5.2) R2(-2.4,-5.2) R3(-1.6,-5.2) R7(1.6,-5.2) R8(2.4,-5.2) R9(3.2,-5.2) T1(-3.2,-6) T2(-2.4,-6) T3(-1.6,-6) T7(1.6,-6) T8(2.4,-6) T9(3.2,-6)
